# KiCad board Soldered Inkplate 4 TEMPERA with glass panel_panel.kicad_pcb (continued)
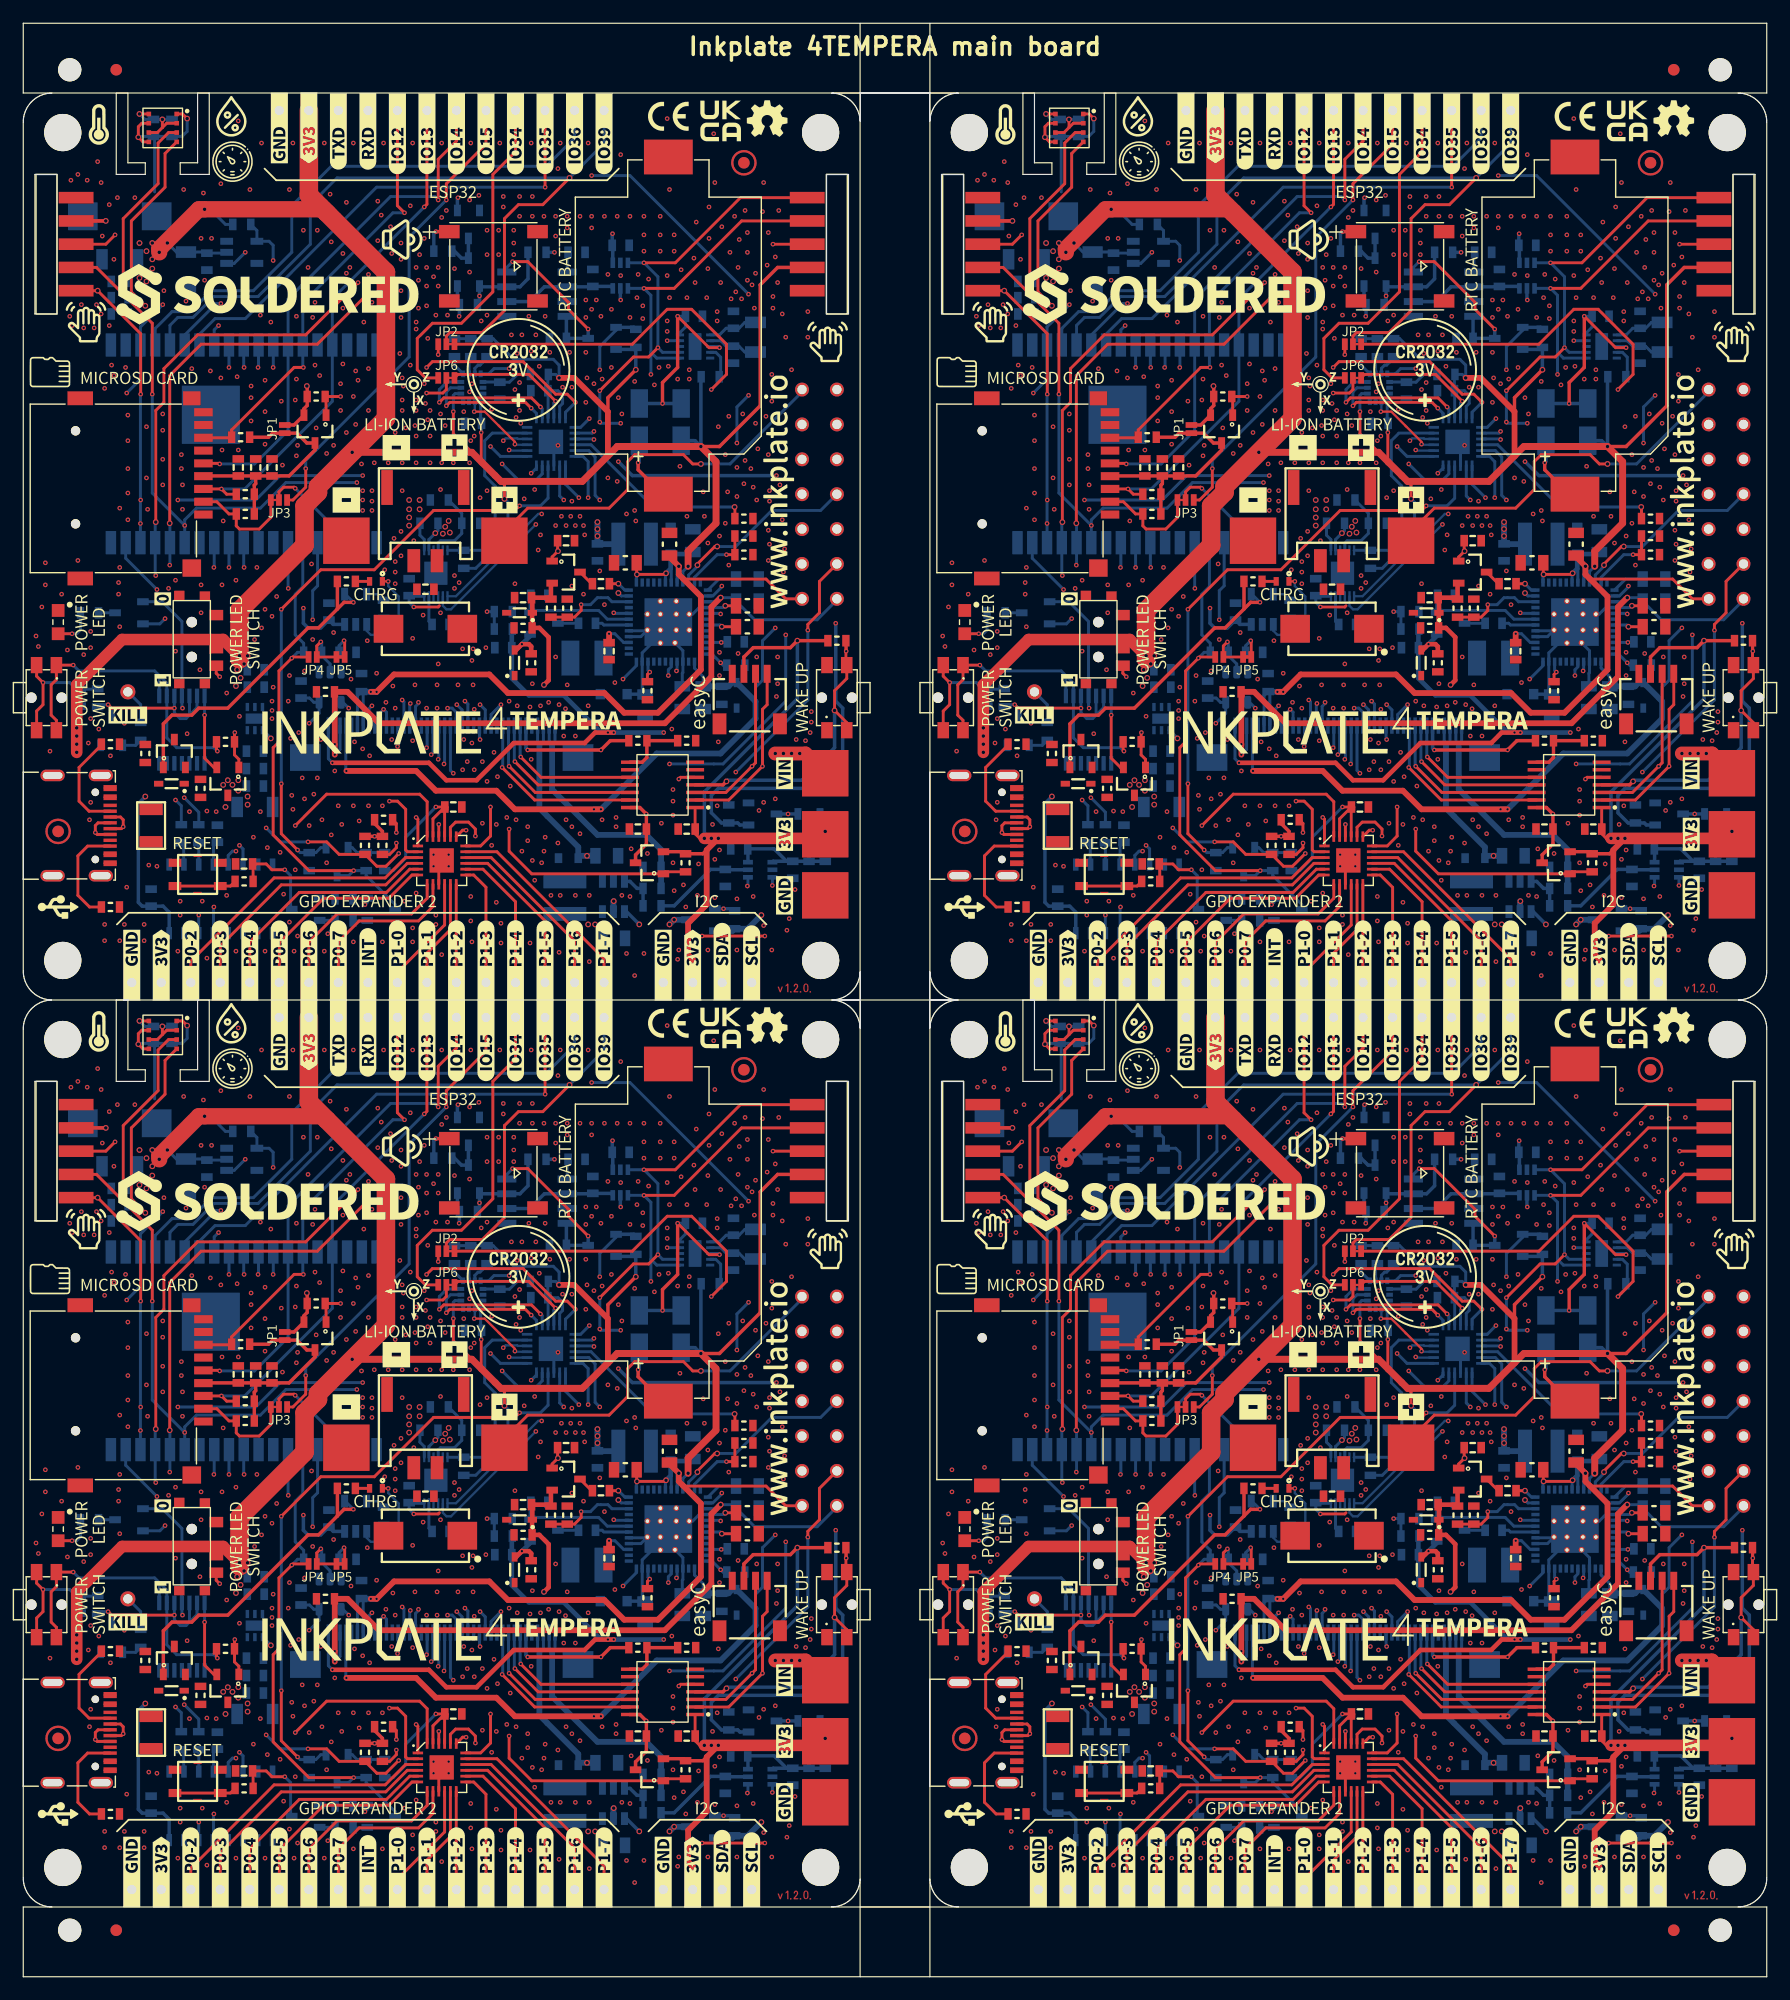
[diagram p0: board, top side]
## Routing (per net, layer and track width the routed paths; a pad name or vN(x,y) marks a point on that pad's centre or on a via; arc(x,y) is an arc through that point) (continued)
Board_1-EPD_D0: length 25.8
  In1.Cu w0.254: v1(100.8,119.4) 100.8,115.4 108,108.2 108.9,108.2 111.4,105.7 v1(112.7,105.7)
  Bottom w0.254: U14.26 100.78,119.42 v1(100.8,119.4) ; v1(112.7,105.7) 112.75,105.75 K12.23
Board_1-EPD_D1: length 29.8
  In1.Cu w0.254: v1(113.1,105.1) 109.2,105.1 102.9,111.4 102.9,112.4 97,118.3 v1(97,121.2)
  Bottom w0.254: v1(97,121.2) 96.97,121.23 U14.29 ; K12.22 113.25,105.25 v1(113.1,105.1)
Board_1-EPD_D2: length 32
  In1.Cu w0.254: v1(95.7,121.2) 95.7,118 109.3,104.4 113.4,104.4 v1(113.7,104.7)
  Bottom w0.254: U14.30 v1(95.7,121.2) ; v1(113.7,104.7) 113.75,104.75 K12.21
Board_1-EPD_D3: length 35
  In1.Cu w0.254: v1(94.4,121.2) 94.4,117.3 108,103.7 113.6,103.7 v1(114.2,104.3)
  Bottom w0.254: U14.31 94.43,121.23 v1(94.4,121.2) ; v1(114.2,104.3) 114.25,104.35 K12.20
Board_1-EPD_D4: length 44.9
  In1.Cu w0.254: v1(89.5,119.3) 89.5,114.7 101.7,102.5 114,102.5 v1(115,103.5)
  Bottom w0.254: v1(115,103.5) 114.75,103.75 K12.19 ; v1(89.5,119.3) 86.81,121.99 U14.37
Board_1-EPD_D5: length 40.5
  In1.Cu w0.254: v1(97,138.4) 97,126.6 v1(114.5,109.1)
  Bottom w0.254: v1(97,138.4) 96.97,138.43 U14.10 ; K12.18 115.25,108.75 114.9,109.1 v1(114.5,109.1)
Board_1-EPD_D6: length 40
  In1.Cu w0.254: v1(115.3,109.4) 115.3,110.4 98.2,127.5 v1(98.2,138.4)
  Bottom w0.254: U14.11 98.24,138.44 v1(98.2,138.4) ; K12.17 115.75,108.95 v1(115.3,109.4)
Board_1-EPD_D7: length 39.7
  In1.Cu w0.254: v1(99.5,138.4) 99.5,127.8 116,111.3 v1(116,109.7)
  Bottom w0.254: v1(99.5,138.4) 99.51,138.41 U14.12 ; K12.16 116.25,109.45 v1(116,109.7)
Board_1-EPD_GMODE: length 34.1
  In1.Cu w0.254: v1(117.3,106.4) 118.5,107.6 118.5,125.4 126,132.9 v1(127.1,132.9)
  Bottom w0.254: v1(127.1,132.9) 126.95,132.75 U13#4.2 ; v1(117.3,106.4) 117.25,106.45 K12.14
Board_1-EPD_LE: length 19.6
  In1.Cu w0.254: v1(110.6,109.8) 109.8,109.8 v1(102.9,116.7)
  Bottom w0.254: U14.24 103.32,119.62 102.9,119.2 v1(102.9,116.7) ; v1(110.6,109.8) 110.75,109.65 K12.27
Board_1-EPD_OE: length 41.2
  In1.Cu w0.254: v1(126.7,134) 125.2,134 117.3,126.1 117.3,112.5 117.9,111.9 117.9,109.1 117.1,108.3 111.9,108.3 111.3,108.9 v1(111.3,109.5)
  Bottom w0.254: v1(111.3,109.5) 111.25,109.45 K12.26 ; U13#4.1 125.95,133.25 v1(126.7,134)
Board_1-EPD_SPH: length 39.6
  In1.Cu w0.254: v1(95.7,138.4) 95.7,125.9 v1(112,109.6)
  Bottom w0.254: v1(112,109.6) 112,109.5 111.75,109.25 K12.25 ; U14.9 v1(95.7,138.4)
Board_1-EPD_SPV: length 29.9
  In1.Cu w0.254: v1(119.1,109.4) 119.1,124.2 v1(127.1,132.2)
  Bottom w0.254: K12.12 118.25,108.55 v1(119.1,109.4) ; U13#4.3 127.05,132.25 v1(127.1,132.2)
Board_1-GND: length 18.8
  Top w0.254: U19.5 88.3,157.8 v2(87.9,158.2) 87.9,159.1 88.2,159.4 U19.7 ; U15.25 113.75,95.75 U15.9 ; v2(92.1,159.8) 91.7,160.2 U19.1
  Bottom w0.254: C64#4.1 89.3,158.17 89.3,153.5 ; C64#4.1 87.97,158.27 v2(87.9,158.2) ; C64#4.1 C65#4.1 91.67,158.27 92.1,158.7 v2(92.1,159.8) ; U13#4.9 123.65,131.75 U13#4.25 ; 83.2,151.4 C54#2.2
  vias: v1(79.1,115.3) v1(79.3,114.4) v1(79.6,117.8) v1(79.9,121.6) v1(79.9,119.7) v1(80.3,105.4) v1(81.3,118.9) v1(81.8,114.1) v1(82,142.8) v1(82.1,154.5) v1(82.2,142) v1(82.7,155) v1(82.7,121.8) v1(83,143.8) v1(83.2,141.8) v1(83.2,113.7) v1(83.5,154.5) v1(83.6,106.1) v1(83.7,99.5) v1(83.8,115.7) v1(83.8,114.3) v1(83.8,108.2) v1(83.8,101) v1(84.1,141.8) v1(84.3,143.8) v1(84.4,156.1) v1(84.5,107.3) v1(84.7,154.3) v1(84.7,143) v1(84.8,149.7) v1(85,136.6) v1(85,90.5) v1(85,89.1) v1(85.4,152.4) v1(85.4,142) v1(85.5,105) v1(85.6,138.6) v1(85.8,147.7) v1(85.8,137.7) v1(86.1,153) v1(86.2,119.9) v1(86.2,118.9) v1(86.3,126.3) v1(86.3,121.2) v1(86.3,116.1) v1(86.3,89.1) v1(86.7,107.8) v1(86.7,90.5) v1(86.8,138.4) v1(86.9,93.7) v1(87,134.3) v1(87,132.1) v1(87,129.7) v1(87,127.6) v1(87,125.3) v1(87.6,153) v1(88.4,90.5) v1(88.4,89.1) v1(88.6,133.3) v1(88.6,128.9) v1(88.7,126.2) v1(88.8,95.6) v1(89.5,95.5) v1(90,134.4) v1(90,133) v1(90,130.5) v1(90,128.3) v1(90.1,145) v1(90.5,119.4) v1(91.1,120.1) v1(91.1,114) v1(91.3,88.2) v1(91.5,92.5) v1(91.5,91.3) v1(91.6,130.9) v1(91.6,129.7) v1(91.7,128.3) v1(91.7,126.2) v1(91.8,153.7) v1(92,144.1) v1(92.3,100.2) v1(92.5,138.3) v1(93.2,112.4) v1(93.3,149.5) v1(93.3,119.7) v1(93.3,117.3) v1(93.4,92.5) v1(93.5,153.4) v1(93.6,145.9) v1(93.8,100.25) v1(93.8,87.6) v1(94.1,138.1) v1(94.2,149.5) v1(94.6,100.2) v1(95,154.2) v1(95,137.5) v1(95.1,131.3) v1(95.1,119.7) v1(95.2,125.2) v1(95.5,110.4) v1(95.5,93) v1(96.3,120.1) v1(96.3,88.2) v1(96.4,137.6) v1(96.5,159.6) v1(96.5,131.3) v1(96.6,108.4) v1(97.5,153.7) v1(97.6,136.8) v1(97.6,135.8) v1(97.6,133.8) v1(97.9,115) v1(98.1,121.2) v1(98.4,142.9) v1(98.4,100.2) v1(98.5,157.7) v1(98.5,116) v1(98.8,137.3) v1(98.8,134.6) v1(98.8,131.8) v1(98.8,117.6) v1(98.8,88.2) v1(99,97.1) v1(99.3,142.3) v1(99.4,117) v1(99.4,109.7) v1(99.4,108.9) v1(99.4,108.2) v1(99.5,110.9) v1(99.8,118.7) v1(100.1,96.7) v1(100.2,135.5) v1(100.3,130) v1(100.4,93.1) v1(100.8,109.7) v1(100.9,153.7) v1(100.9,111.9) v1(100.9,90.7) v1(101,106.5) v1(101.1,101.6) v1(101.2,157.7) v1(101.2,100.4) v1(101.3,88.2) v1(101.4,135.6) v1(101.4,95.2) v1(101.5,142.8) v1(101.5,137.4) v1(101.5,130.8) v1(101.6,131.7) v1(101.6,89.5) v1(101.7,107) v1(102,103.1) v1(102.1,150.2) v1(102.2,112.3) v1(102.2,101.3) v1(102.5,147) v1(102.6,99) v1(102.8,121.5) v1(102.9,142.7) v1(102.9,115) v1(103,101.7) v1(103.1,144) v1(103.1,138.6) v1(103.2,133.2) v1(103.3,150.2) v1(103.3,103.1) v1(103.5,137.7) v1(103.6,106.4) v1(103.7,99.5) v1(103.9,157.7) v1(103.9,88.2) v1(104.1,131) v1(104.1,95.8) v1(104.4,153.3) v1(104.5,149.2) v1(104.7,131.7) v1(104.7,115.6) v1(104.8,103.7) v1(105.1,100.7) v1(105.3,137) v1(105.3,134.7) v1(105.4,99.1) v1(105.5,148.2) v1(105.5,143.5) v1(105.5,138.7) v1(105.8,152.6) v1(105.8,146.5) v1(105.8,132.8) v1(106.1,147) v1(106.2,111.6) v1(106.4,157.7) v1(106.4,135.9) v1(106.4,100.7) v1(106.4,89) v1(106.5,106.2) v1(106.6,138.1) v1(106.6,133.5) v1(106.8,137.3) v1(106.9,99.4) v1(107.1,130.1) v1(107.2,127.8) v1(107.2,127) v1(107.2,126.1) v1(107.2,105.6) v1(107.3,142.3) v1(107.6,114.9) v1(107.7,138.3) v1(107.7,134.7) v1(107.7,100.7) v1(107.8,105) v1(108,144) v1(108,127.8) v1(108,126.9) v1(108,126.1) v1(108.2,130.2) v1(108.4,112.1) v1(108.5,152.7) v1(108.5,149.3) v1(108.8,151.5) v1(108.9,100.7) v1(108.9,89) v1(109,157.7) v1(109.1,121) v1(109.2,109.6) v1(109.4,130.2) v1(109.6,150.5) v1(109.7,148.2) v1(109.7,106.4) v1(109.8,111) v1(109.9,123.7) v1(110,132.8) v1(110,121.7) v1(110,120.8) v1(110,119.8) v1(110,109.1) v1(110.4,139.6) v1(110.5,149.1) v1(110.5,147.7) v1(110.5,145) v1(110.5,142.7) v1(110.5,124.3) v1(110.5,122.2) v1(110.6,137.5) v1(110.6,135.6) v1(110.6,134.7) v1(110.6,130.2) v1(110.6,127.8) v1(110.7,136.8) v1(110.8,92.5) v1(110.9,133.2) v1(111.3,152.3) v1(111.3,138.6) v1(111.5,157.7) v1(111.5,115.1) v1(111.5,106.3) v1(111.5,90.2) v1(111.5,89) v1(111.6,123.5) v1(111.7,133.4) v1(111.7,111.1) v1(111.8,147) v1(111.8,142.3) v1(111.8,141.7) v1(111.8,135.6) v1(111.8,134.7) v1(111.8,132.5) v1(111.8,130.2) v1(111.8,93.2) v1(112,145.9) v1(112,143.5) v1(112.1,148.1) v1(112.4,117.1) v1(112.5,149.5) v1(112.5,137) v1(112.6,135.3) v1(112.7,147) v1(112.7,145.4) v1(112.7,143.7) v1(112.7,109.1) v1(112.8,140.9) v1(112.8,133.9) v1(113,134.7) v1(113,132.5) v1(113,130.2) v1(113.3,146.2) v1(113.3,96.5) v1(113.3,95.5) v1(113.5,142.9) v1(113.5,91.3) v1(113.5,90.5) v1(113.6,111.1) v1(113.6,109.1) v1(113.7,147) v1(113.7,145.4) v1(113.7,112.9) v1(113.9,134.4) v1(113.9,127.9) v1(113.9,117.3) v1(114,157.7) v1(114,151.3) v1(114,130.2) v1(114,87.9) v1(114.3,133.4) v1(114.4,151.9) v1(114.5,142.9) v1(114.6,96.5) v1(114.6,95.5) v1(115,130.2) v1(115.1,146.9) v1(115.1,120.5) v1(115.1,119.4) v1(115.4,111.1) v1(115.5,119.9) v1(115.8,114.2) v1(115.8,103.8) v1(115.9,134.6) v1(115.9,106.4) v1(116.2,104.5) v1(116.4,152.8) v1(116.4,146.6) v1(116.4,136.3) v1(116.4,130.2) v1(116.5,157.7) v1(116.5,132.1) v1(116.5,92.9) v1(116.5,90.8) v1(116.6,137) v1(116.6,113.2) v1(116.6,106.1) v1(116.6,89) v1(116.7,114.2) v1(116.7,111.1) v1(116.8,132.5) v1(116.8,109) v1(116.8,103.8) v1(117.2,153.2) v1(117.3,127.2) v1(117.4,142.4) v1(117.5,104.5) v1(117.5,99.2) v1(117.8,114.3) v1(117.9,150.2) v1(117.9,148.1) v1(117.9,142.9) v1(117.9,127.8) v1(117.9,102.8) v1(118.3,134.8) v1(118.3,97.3) v1(118.5,105.3) v1(118.7,99.1) v1(118.7,92.4) v1(118.8,103.2) v1(118.9,150.2) v1(118.9,148.1) v1(119,157.7) v1(119.1,90.6) v1(119.1,88.9) v1(119.3,153.1) v1(119.3,152.2) v1(119.6,99.7) v1(119.8,109.7) v1(119.9,102.4) v1(120,141.2) v1(120.2,150.2) v1(120.2,149.1) v1(120.2,148.1) v1(120.3,136.5) v1(120.3,119.8) v1(120.4,134.1) v1(120.4,99.5) v1(120.5,139.6) v1(120.5,109.3) v1(120.7,153.1) v1(120.7,151.4) v1(120.7,137.1) v1(120.7,134.7) v1(120.8,133.6) v1(120.9,141.2) v1(120.9,96.8) v1(121.1,127.1) v1(121.4,98.9) v1(121.4,97.7) v1(121.5,142.8) v1(121.6,109.2) v1(121.6,88.9) v1(121.7,157.7) v1(121.7,139.8) v1(121.7,104.7) v1(121.8,153.1) v1(121.8,151.4) v1(121.8,111.2) v1(121.8,96) v1(122,127.9) v1(122,94.3) v1(122.1,141.2) v1(122.3,122.7) v1(122.4,138.5) v1(122.5,124) v1(122.5,109.3) v1(122.6,95.8) v1(122.8,151.4) v1(122.8,96.8) v1(122.9,142.8) v1(122.9,98) v1(123.2,109.6) v1(123.3,139.7) v1(123.4,93) v1(123.8,151.4) v1(123.8,149.7) v1(123.8,124.8) v1(123.8,113.5) v1(124,155.5) v1(124,131.7) v1(124,97.5) v1(124.1,109.4) v1(124.1,88.1) v1(124.2,157.7) v1(124.2,93) v1(124.3,125.6) v1(124.4,136.7) v1(124.5,106.7) v1(124.7,124.8) v1(124.65,109.05) v1(124.7,99.5) v1(124.8,151.4) v1(124.8,150.4) v1(124.8,111.1) v1(125,139.7) v1(125.1,125.6) v1(125.2,136.7) v1(125.2,126.9) v1(125.2,119.6) v1(125.2,98.9) v1(125.5,124.8) v1(125.5,106.7) v1(125.5,93) v1(125.9,151.4) v1(125.9,125.6) v1(125.9,98.3) v1(126.2,124.8) v1(126.2,118.9) v1(126.3,124) v1(126.4,144.2) v1(126.4,142.7) v1(126.4,139.7) v1(126.4,135.4) v1(126.5,137.5) v1(126.6,157.7) v1(126.6,109.3) v1(126.7,93) v1(126.7,87.3) v1(126.9,151.4) v1(126.9,150.4) v1(126.9,143.4) v1(127.1,137) v1(127.3,144.2) v1(127.6,120.9) v1(127.7,142.8) v1(127.8,137.4) v1(127.8,99.5) v1(128,151.4) v1(128,118) v1(128.3,146.4) v1(128.3,128.9) v1(128.6,143.4) v1(128.6,138.4) v1(128.9,111.3) v1(129,99.7) v1(129,98.9) v1(129.1,151.4) v1(129.1,128.6) v1(129.2,135.8) v1(129.4,156.7) v1(129.4,146.3) v1(129.5,134.4) v1(129.5,93) v1(129.9,125.8) v1(129.9,88) v1(130.2,151.4) v1(130.2,142.7) v1(130.2,92.9) v1(130.3,97) v1(130.6,137.2) v1(130.6,126.1) v1(130.6,86.1) v1(130.7,125.2) v1(130.8,144.4) v1(130.9,146.4) v1(131.3,143.7) v1(131.3,142.6) v1(131.4,151.4) v1(131.4,149.8) v1(131.4,148.4) v1(131.4,88) v1(131.7,96.6) v1(131.8,146) v1(132.3,136.9) v1(132.7,138.4) v1(132.8,151.4) v1(132.8,149.8) v1(132.8,148.4) v1(132.9,99.2) v1(133.4,159.8) v1(133.4,146.3) v1(133.4,142.4) v1(133.4,141.5) v1(133.5,138.5) v1(133.6,153.7) v1(133.6,144.4) v1(133.8,107.3) v1(133.9,102.1) v1(133.9,101.1) v1(133.9,99.9) v1(133.9,95.8) v1(134,149.8) v1(134,148.4) v1(134,93.4) v1(134.3,137.4) v1(134.3,87.5) v1(134.4,88.3) v1(134.5,129.9) v1(134.6,146.8) v1(134.8,93.9) v1(135,92) v1(135.1,144.4) v1(135.1,125.6) v1(135.3,138.2) v1(135.3,137.4) v1(135.7,147.8) v1(135.8,145.7) v1(135.9,150.9) v1(136,93) v1(136.1,95.7) v1(136.5,127.7) v1(136.6,125.6) v1(136.8,144.4) v1(136.9,146.9) v1(136.9,123.3) v1(136.9,88.3) v1(137,152.2) v1(137,149.5) v1(137.3,99.1) v1(137.4,158.5) v1(137.5,154.3) v1(137.5,96.1) v1(137.5,92.8) v1(137.7,143.2) v1(137.7,142.4) v1(137.7,100.7) v1(137.8,133.3) v1(137.8,106.2) v1(137.9,123.9) v1(137.9,113.9) v1(137.9,111.9) v1(137.9,96.9) v1(138,145.7) v1(138.1,150.5) v1(138.4,130.9) v1(138.4,125) v1(138.6,127.7) v1(138.7,134.2) v1(138.7,121.4) v1(138.8,148.3) v1(138.9,144.3) v1(139.2,151.4) v1(139.3,144.9) v1(139.4,129.8) v1(139.4,127.3) v1(139.4,92.7) v1(139.4,88.3) v1(139.5,147) v1(139.5,113.8) v1(139.6,149.4) v1(139.8,144.3) v1(139.9,134.4) v1(140,128.4) v1(140.1,151.9) v1(140.1,130.4) v1(140.3,150) v1(140.3,148.3) v1(140.3,145.9) v1(140.6,129.7) v1(140.7,145.5) v1(140.8,128.1) v1(140.8,92.9) v1(140.9,143.5) v1(141,146.5) v1(141,133.6) v1(141.1,127) v1(141.1,113.5) v1(141.2,131.4) v1(141.3,100.3) v1(141.6,151.8) v1(141.7,154.3) v1(141.7,101) v1(141.7,90.4) v1(141.9,134.2) v1(142,147.2) v1(142.1,150) v1(142.1,130.9) v1(142.1,124.4) v1(142.1,121.8) v1(142.2,127.8) v1(142.2,126.9) v1(142.2,123.2) v1(142.4,137.8) v1(142.4,135.5) v1(142.4,88.3) v1(142.5,144.5) v1(142.5,143.5) v1(142.7,147.9) v1(142.7,101.3) v1(142.8,110.1) v1(142.9,145.7) v1(142.9,113.5) v1(142.9,111.2) v1(143,151.9) v1(143.1,128.3) v1(143.3,143) v1(143.3,125.3) v1(143.4,120.8) v1(143.5,122.8) v1(143.6,141) v1(143.7,90) v1(143.9,91) v1(144.1,138.2) v1(144.4,93.5) v1(144.5,106.4) v1(145.3,106.3) v1(145.5,143.2) v1(145.5,141) v1(145.7,107) v1(145.8,108.8) v1(145.8,107.9)
Board_1-GPIO15: length 40.9
  Top w0.254: v1(114.4,152.8) 114.4,154.2 117.81,157.61 K32#4.1 ; JP3.3 101.2,127 102.3,128.1 v1(102.3,129.7)
  Bottom w0.254: v1(102.3,129.7) 102.3,130.4 111.2,139.3 111.2,149.6 v1(114.4,152.8)
Board_1-GPIO_0: length 43.8
  Top w0.254: v1(106.43,95.13) 102.58,95.13 99.5,98.2 99.5,105.7 100,106.2 100,112.3 101.2,113.5 JP4#2.1
  Bottom w0.254: v1(101.1,113.4) 101.6,113.9 R45#2.1 102.13,114.68 101.4,115.4 101.4,118.9 102.05,119.55 U14.25 ; Q3#4.3 110,92.2 107.5,94.7 R22#3.1 v1(106.43,95.13) 106,94.7 Q1#2.3
Board_1-GPIO_0_MOSFET: length 53.7
  Top w0.254: v1(120.7,126.5) 120.3,126.1 113.3,126.1 108.2,121 103.6,121 v1(100.2,117.6) ; v1(100.2,102.6) 100.2,98.3 v1(101.6,96.9)
  Bottom w0.254: v1(100.2,117.6) v1(100.2,102.6) ; v1(101.6,96.9) 101.83,96.68 R20#3.2 103.18,96.68 103.6,97.1 Q1#2.1 ; U13#4.10 123.15,127.15 122.5,126.5 v1(120.7,126.5)
Board_1-GPIO_36: length 137
  Top w0.254: SW3.2 148.85,107.85 v2(147.8,108.9) 147.8,110.6 148.85,111.65 SW3.2 148.78,112.88 R41#3.1 148.8,114.88 v1(148.8,114)
  Top w0.3: v2(138.5,102.8) 138.2,102.5 U10#2.4
  In1.Cu w0.254: v1(139.4,131.9) 141.6,129.7 141.6,116.1 143.7,114 v1(148.8,114) ; K25#4.1 125.43,156.37 v1(126.9,154.9) ; v1(140.4,144.7) v1(140.4,136)
  Bottom w0.254: K25#4.1 125.43,158.13 123,155.7 104.5,155.7 101.1,152.3 101.1,148.3 97.8,145 94.2,145 92.4,143.2 90.8,143.2 89.35,141.75 U14.4 ; v1(126.9,154.9) 130.2,154.9 v1(140.4,144.7) ; v1(139.4,131.9) 139.4,135 v1(140.4,136)
  Bottom w0.3: v2(138.5,102.8) 138.6,102.9 145,102.9 147.8,105.7 v2(147.8,108.9)
Board_1-GPIO_39: length 71.9
  Top w0.254: JP2#3.2 114.4,141.1 114.7,141.4 117.5,141.4 119.4,143.3 119.4,151.2 120.6,152.4 122.7,152.4 v2(125,154.7)
  Bottom w0.254: U14.5 90.62,142.02 91.3,142.7 92.6,142.7 94.4,144.5 98.2,144.5 102.7,149 102.7,152.4 105,154.7 v2(125,154.7) 127.97,157.67 K24.1
Board_1-GPOUT_FG: length 17.2
  Bottom w0.254: U5.12 R26#3.2 117.48,122.68 118.6,123.8 118.6,128.2 117.7,129.1 117.7,132.1 118.35,132.75 U13#4.17
Board_1-I2C_SCL: length 323.3
  Top w0.254: v1(127.6,136.4) 130.5,139.3 131.8,139.3 v1(132.6,140.1) ; U19.4 90.2,156.8 90.2,153.9 87.3,151 87.3,144.9 v2(88.5,143.7) ; v1(131.4,147.4) 134.1,147.4 139.7,153 K43#4.1 ; v1(88.1,136.1) 88.1,141.3 v2(84.4,145) K42#2.1 ; U10#2.2 138.7,101.2 v1(141.6,104.1) 141.6,109 142,109.4 K4#4.1 ; v1(136.4,89.5) v1(141.8,89.5) ; v1(114.4,135.1) 114.7,135.4 121.2,135.4 v1(121.7,134.9) ; v1(116.1,98.6) 115.8,98.6 U15.19 ; R1#3.1 109.53,96.53 110.1,97.1 v1(110.1,97.5)
  In1.Cu w0.254: v1(127.6,136.4) 127.3,136.1 122.4,136.1 121.7,135.4 v1(121.7,134.9) 121.7,131.9 118.9,129.1 v1(107.2,129.1) ; v1(104.5,98.2) 98.6,98.2 97.6,99.2 91.68,99.2 88.4,102.48 88.4,111.5 86.9,113 86.9,121.4 88.08,122.58 v1(88.08,124.98) ; v1(136.4,89.5) 123,89.5 120.1,92.4 120.1,97.2 118.7,98.6 v1(116.1,98.6) 115.98,98.48 111.08,98.48 v1(110.1,97.5) ; K6#4.1 140.67,88.37 142.45,90.15 v1(142.45,93.85) 145.3,96.7 145.3,100.4 134.2,111.5 v1(134.2,112.3) ; v1(91.3,127) v1(88.1,127) ; v2(88.5,143.7) 87.2,145 v2(84.4,145) ; v1(129.4,133.6) 133.7,133.6 135,134.9 146.6,134.9 K1#3.6 ; v1(127.6,133.7) 127.9,133.4 127.9,132 122.1,126.2 v1(122.1,124.9)
  In2.Cu w0.254: v1(110.1,97.5) 105.2,97.5 v1(104.5,98.2)
  Bottom w0.2: U5.2 114.1,117.9 114.4,117.6 114.8,117.6 v1(122.1,124.9)
  Bottom w0.254: U9#4.3 v1(142.45,93.85) ; U13#4.19 122.15,134.45 v1(121.7,134.9) ; v1(107.2,129.1) 100.1,129.1 98,127 v1(91.3,127) ; U8#3.7 133,139.7 v1(132.6,140.1) 132.6,146.2 v1(131.4,147.4) U16#3.3 ; v1(134.2,112.3) 134.25,112.35 U1#4.17 ; U17#2.13 114.75,136.65 114.4,136.3 v1(114.4,135.1) ; v1(129.4,133.6) 127.7,133.6 v1(127.6,133.7) v1(127.6,136.4) ; v1(88.1,136.1) 88.08,136.08 v1(88.08,124.98) U14.36
Board_1-I2C_SCL_B: length 15.8
  Top w0.254: v1(119.2,104) 122,101.2 U10#2.13
  Bottom w0.254: v1(119.2,104) 119.25,104.05 K12.10
Board_1-I2C_SDA: length 316.9
  Top w0.254: U19.3 90.5,158.6 89.6,157.7 89.6,154.2 86.6,151.2 86.6,144.7 ; v1(116.9,98.1) 116.9,98.7 116.3,99.3 115.2,99.3 114.75,98.85 U15.20 ; U10#2.3 138.45,101.85 v1(140.7,104.1) 141,104.4 K4#4.2 ; v1(113.8,135.4) 114.18,135.78 121.72,135.78 v1(122.5,135) ; v1(131.4,145.2) 134,145.2 139.8,151 K43#4.2 ; v1(102.5,97.6) 104.1,97.6 105.18,96.53 R2#3.1 108.43,95.5 109.2,95.5 v1(110.3,96.6) ; v1(89.1,136.1) 89.1,142.2 84.3,147 K42#2.2
  In1.Cu w0.254: v1(133.5,111.9) 133.5,111.3 144.5,100.3 144.5,98 v1(140.3,93.8) 140.3,90.5 138.7,88.9 ; 129.05,134.85 v1(132,137.8) ; 129.05,134.85 129,134.8 122.7,134.8 v1(122.5,135) ; 129.05,134.85 128.5,134.3 128.5,131.8 ; v1(122.6,125.8) 122.6,125.9 128.5,131.8 ; 128.5,131.8 129.4,132.7 141.3,132.7 142,132 146.5,132 K1#3.5 ; v1(110.3,96.6) 111.8,98.1 118.3,98.1 119.6,96.8 119.6,92.2 122.9,88.9 138.7,88.9 ; v1(106.7,128.5) 119,128.5 125,134.5 125,134.8 ; K7#3.1 138.13,88.33 138.7,88.9 ; v1(91.89,124.81) 91.81,124.81 87.6,120.6 87.6,113.4 89.2,111.8 89.2,102.38 91.88,99.7 98,99.7 v1(98.9,98.8)
  Bottom w0.2: v1(122.6,125.8) 122.3,125.8 115.23,118.73 U5.1
  Bottom w0.254: v1(91.89,124.81) 89.1,127.6 v1(89.1,136.1) ; v1(91.89,124.81) 91.89,125.29 92.9,126.3 98.4,126.3 100.6,128.5 v1(106.7,128.5) ; v1(91.89,124.81) U14.33 ; 132,139.7 132,144.6 v1(131.4,145.2) U16#3.4 ; 132,139.7 132.5,139.2 U8#3.6 ; 132,139.7 v1(132,137.8) ; v1(113.8,135.4) 113.8,136.5 114.45,137.15 U17#2.14 ; v1(140.3,93.8) 140.35,93.85 U9#4.4 ; v1(133.5,111.9) 133.5,112.4 133.75,112.65 U1#4.18 ; v1(102.5,97.6) 100.1,97.6 v1(98.9,98.8) ; v1(122.5,135) 122.65,134.85 U13#4.20
Board_1-I2C_SDA_B: length 14.9
  Top w0.254: U10#2.12 122.05,101.85 v1(119.8,104.1)
  Bottom w0.254: v1(119.8,104.1) 119.75,104.15 K12.9
Board_1-INT: length 21.9
  In1.Cu w0.254: v1(125.8,127.2) 126.6,128 131.4,128 138.1,121.3 v1(138.1,119.6)
  Bottom w0.254: U13#4.7 124.65,128.35 v1(125.8,127.2) ; U1#4.2 137.33,118.75 138.1,119.52 v1(138.1,119.6)
Board_1-INT1_LSM: length 11.2
  In1.Cu w0.254: v1(119.8,138.3) 119.8,135.9 119.3,135.4 v1(119.3,132.1)
  Bottom w0.2: v1(119.3,132.1) 119.5,132.3 120.5,132.3 120.55,132.25 U13#4.16
  Bottom w0.254: U17#2.4 118.05,137.85 118.5,138.3 v1(119.8,138.3)
Board_1-INT2_LSM: length 6.7
  Top w0.2: v1(116.8,134.6) 117.7,134.6 120.3,132 v1(120.3,131.8)
  Bottom w0.2: v1(120.3,131.8) 120.35,131.75 U13#4.15 ; v1(116.8,134.6) 116.85,134.65 U17#2.9
Board_1-INT_APDS: length 86.7
  Top w0.254: v1(142.5,149) K43#4.3 ; K42#2.3 85.1,149 v1(85.9,149.8)
  In1.Cu w0.254: 118.9,138.3 118.4,137.8 114.6,137.8 112,140.4 110,140.4 100,150.4 93.1,150.4 92.5,149.8 v1(85.9,149.8) ; 118.9,138.3 119.6,139 132.5,139 v1(142.5,149) ; 118.9,138.3 118.8,138.2 118.8,130.5 v1(119.2,130.1)
  Bottom w0.254: U13#4.11 122.65,129.25 122.1,128.7 120.6,128.7 v1(119.2,130.1)
Board_1-MANUAL_RST: length 83.8
  Top w0.254: R32.2 97.78,95.66 C34#4.2 98.9,95.7 99.4,95.2 v1(100.5,95.2)
  In1.Cu w0.254: v1(100.5,95.2) 99.5,95.2 96.7,98 89.8,98 86.6,101.2 86.6,107.1 84.7,109 84.7,109.9 84.53,110.07 84.53,134.93 97.2,147.6 v1(99.5,147.6)
  Bottom w0.254: Q2#2.3 101,91.9 101,94.7 v1(100.5,95.2) ; v1(99.5,147.6) 99.5,148.9 99.15,149.25 U4.4 98.1,150.18 R27#2.1
Board_1-Net-(C16-Pad1): length 1.8
  Bottom w0.254: C16#2.1 D6#2.3
Board_1-Net-(C17-Pad2): length 1.5
  Top w0.254: D7#3.3 126.9,119.8 C17#2.2
Board_1-Net-(C28-Pad1): length 2.5
  Bottom w0.254: C28.1 112.9,116.57 U5.5
Board_1-Net-(C33-Pad2): length 2.1
  Bottom w0.254: C33.2 94.37,97.24 U6#3.4
Board_1-Net-(C35-Pad2): length 11
  Top w0.254: SW2#3.2 79.15,111.85 v1(79.7,111.3) 79.7,109.4 79.15,108.85 SW2#3.2
  Bottom w0.254: R37.1 84.36,110.73 C35.2 82.57,110.73 82,111.3 v1(79.7,111.3)
Board_1-Net-(C43-Pad1): length 11.7
  Bottom w0.3: Q9#4.3 C44#2.1 ; C44#2.1 C45#2.1 ; C44#2.1 C43#3.1 ; U9#4.1 142.53,95.93 C45#2.1 ; C45#2.1 143.67,95.93 142.6,97 C47.2 140.35,96.98 U9#4.6
Board_1-Net-(C46-Pad2): length 2.6
  Top w0.254: v1(105.6,114.9) 105.65,114.85 JP5#4.2
  Bottom w0.254: C46.2 105.17,114.47 v1(105.6,114.9)
Board_1-Net-(C68-Pad2): length 1.7
  Bottom w0.254: C68#4.2 124.8,148.23 U18#3.5
Board_1-Net-(D8-Pad1): length 1.1
  Top w0.254: 106.68,120 D8#4.1
Board_1-Net-(D8-Pad2): length 8.7
  Top w0.2: v1(109.4,120) D8#4.2
  Bottom w0.2: U2.1 107.55,115.75 107.9,115.4 109.9,115.4 110.3,115.8 110.3,118.7 109.4,119.6 v1(109.4,120)
Board_1-Net-(D9-Pad1): length 3.5
  Top w0.254: v1(82.2,115.5) D9#3.1
  Bottom w0.254: v1(82.2,115.5) 82.6,115.5 82.93,115.83 R31#3.2
Board_1-Net-(D12-Pad1): length 6.2
  Top w0.3: v1(130.9,130.2) 130.9,129.6 133.5,127
  Bottom w0.3: v1(130.9,130.2) 131,130.3 D12#2.1
Board_1-Net-(JP2-Pad3): length 34.5
  Top w0.254: v1(137.2,136.5) 138.5,137.8 138.5,140.4 135.5,143.4 133.4,143.4 130.4,140.4 JP2#3.3
  Bottom w0.254: U8#3.4 137.58,139.7 138,139.28 138,137.73 R40.1 137.88,137.18 v1(137.2,136.5)
Board_1-Net-(JP3-Pad1): length 9.3
  Top w0.254: JP3.1 99.3,125.5 98.3,124.5 96.6,124.5 96.33,124.78 R42#2.1 95.7,125.8 94.65,126.85 K10#4.2
Board_1-Net-(JP4-Pad2): length 6.1
  Top w0.254: v1(103.6,114.8) 103.25,114.45 JP4#2.2 JP5#4.1
  Bottom w0.254: v1(103.6,114.8) 103.68,114.73 R45#2.2 103.68,113.63 104.4,112.9 U11#3.2
Board_1-Net-(JP6-Pad3): length 29.4
  Top w0.254: JP6#2.3 112.6,137.5 111.9,138.2 111.9,140.9 113.2,142.2 115.7,142.2 118.4,144.9 118.4,155 120.35,156.95 K17.1
Board_1-Net-(K2-PadA5): length 8.7
  Top w0.254: K2#3.A5 83.66,100.24 82.8,101.1 82.8,104 84.73,105.93 R18#3.1
Board_1-Net-(K2-PadB5): length 9
  Top w0.254: R17#3.1 83.7,92 82.7,93 82.7,96.4 83.54,97.24 K2#3.B5
Board_1-Net-(K9-Pad1): length 3.1
  Bottom w0.254: K9.1 88.1,109.4 R33#2.2
Board_1-Net-(K15-Pad1): length 42.5
  Top w0.254: v1(122.9,153.9) 122.89,153.91 K15#3.1
  Bottom w0.254: v1(122.9,153.9) 108.4,153.9 97.1,142.6 94.5,142.6 93.16,141.26 U14.7
Board_1-Net-(K26-Pad1): length 25.1
  Top w0.254: K26.1 92.41,87.33 99.58,94.5 109.14,94.5 110.89,96.25 U15.3
Board_1-Net-(K27-Pad1): length 23.1
  Top w0.254: U15.4 111.04,95.75 109.19,93.9 100.2,93.9 94.95,88.65 K27#4.1
Board_1-Net-(K28-Pad1): length 20.5
  Top w0.254: K28#2.1 97.49,88.99 101.75,93.25 109.25,93.25 111.25,95.25 U15.5
Board_1-Net-(K29-Pad1): length 17.8
  Top w0.254: K29#4.1 100.03,88.93 103.85,92.75 109.45,92.75 111.45,94.75 U15.6
Board_1-Net-(K30-Pad1): length 16.4
  Top w0.254: U15.7 112.75,92.75 111.4,91.4 105,91.4 102.57,88.97 K30#4.1
Board_1-Net-(K31-Pad1): length 14.8
  Top w0.254: K31.1 105.11,89.01 106.9,90.8 112,90.8 113.25,92.05 U15.8
Board_1-Net-(K33-Pad1): length 10.1
  Top w0.254: K33#3.1 110.19,86.39 114.25,90.45 U15.10
Board_1-Net-(K34-Pad1): length 9.3
  Top w0.254: U15.11 114.75,90.05 112.73,88.03 K34#2.1
Board_1-Net-(K35-Pad1): length 8.5
  Top w0.254: K35.1 115.25,85.52 U15.12
Board_1-Net-(K36-Pad1): length 10.4
  Top w0.254: K36#3.1 117.81,93.69 116.75,94.75 U15.13
Board_1-Net-(K37-Pad1): length 12.4
  Top w0.254: K37#4.1 120.35,92.45 117.55,95.25 U15.14
Board_1-Net-(K38-Pad1): length 14.2
  Top w0.254: U15.15 117.95,95.75 122.89,90.81 K38#2.1
Board_1-Net-(K39-Pad1): length 15.9
  Top w0.254: K39#3.1 125.43,89.07 118.25,96.25 U15.16
Board_1-Net-(K40-Pad1): length 17.8
  Top w0.254: U15.17 118.75,96.75 127.97,87.53 K40#4.1
Board_1-Net-(K41-Pad1): length 20.1
  Top w0.254: v1(110.1,98.4) 110.1,99.18 R55#4.2 ; U15.22 v1(113.75,99.1)
  In1.Cu w0.254: v1(113.75,99.1) 110.8,99.1 v1(110.1,98.4) 108.7,97 108.7,92.3 107.65,91.25 K41.1
Board_1-Net-(Q1-Pad2): length 3.3
  Bottom w0.254: Q1#2.2 106.3,97.1 106.73,96.68 R22#3.2 R21.1
Board_1-Net-(Q2-Pad1): length 1.3
  Bottom w0.254: R29.1 104.78,92.75 Q2#2.1
Board_1-Net-(Q3-Pad1): length 1.2
  Bottom w0.254: Q3#4.1 107.55,90.8 R30#3.1
Board_1-Net-(Q4-Pad2): length 10.9
  Top w0.254: v1(94.9,111.8) 94.6,112.1 S1#3.3
  In1.Cu w0.254: v1(90.2,116.8) 91.9,115.1 93.2,115.1 94.9,113.4 v1(94.9,111.8)
  Bottom w0.254: v1(90.2,116.8) 89.75,116.35 Q4#4.2
Board_1-Net-(Q4-Pad3): length 1.4
  Bottom w0.254: R31#3.1 Q4#4.3
Board_1-Net-(Q5-Pad1): length 1.7
  Bottom w0.254: R33#2.1 87.68,105.9 Q5#4.1
Board_1-Net-(Q5-Pad3): length 14.7
  Top w0.254: v1(85.3,109.4) 85.6,109.1 v1(91,109.1)
  Bottom w0.254: R37.2 84.58,109.4 v1(85.3,109.4) 85.6,109.1 Q5#4.3 ; U7#2.12 92.3,108.5 ; 92.3,108.5 92.95,109.15 U7#2.13 ; 92.3,108.5 92,108.2 91.5,108.2 91,108.7 v1(91,109.1) U7#2.10
Board_1-Net-(Q14-Pad3): length 3.4
  Bottom w0.3: Q15.3 Q14#4.3 115.7,147.8 115.1,148.4 R62#3.1
Board_1-Net-(R23-Pad1): length 1.7
  Bottom w0.2: U2.5 108.48,118.9 R23#3.1
Board_1-Net-(R32-Pad1): length 5.4
  Top w0.254: 90.95,93.8 95.83,93.8 R32.1
